# KiCad board nvme Carrier for LattePanda Mu.kicad_pcb (continued)
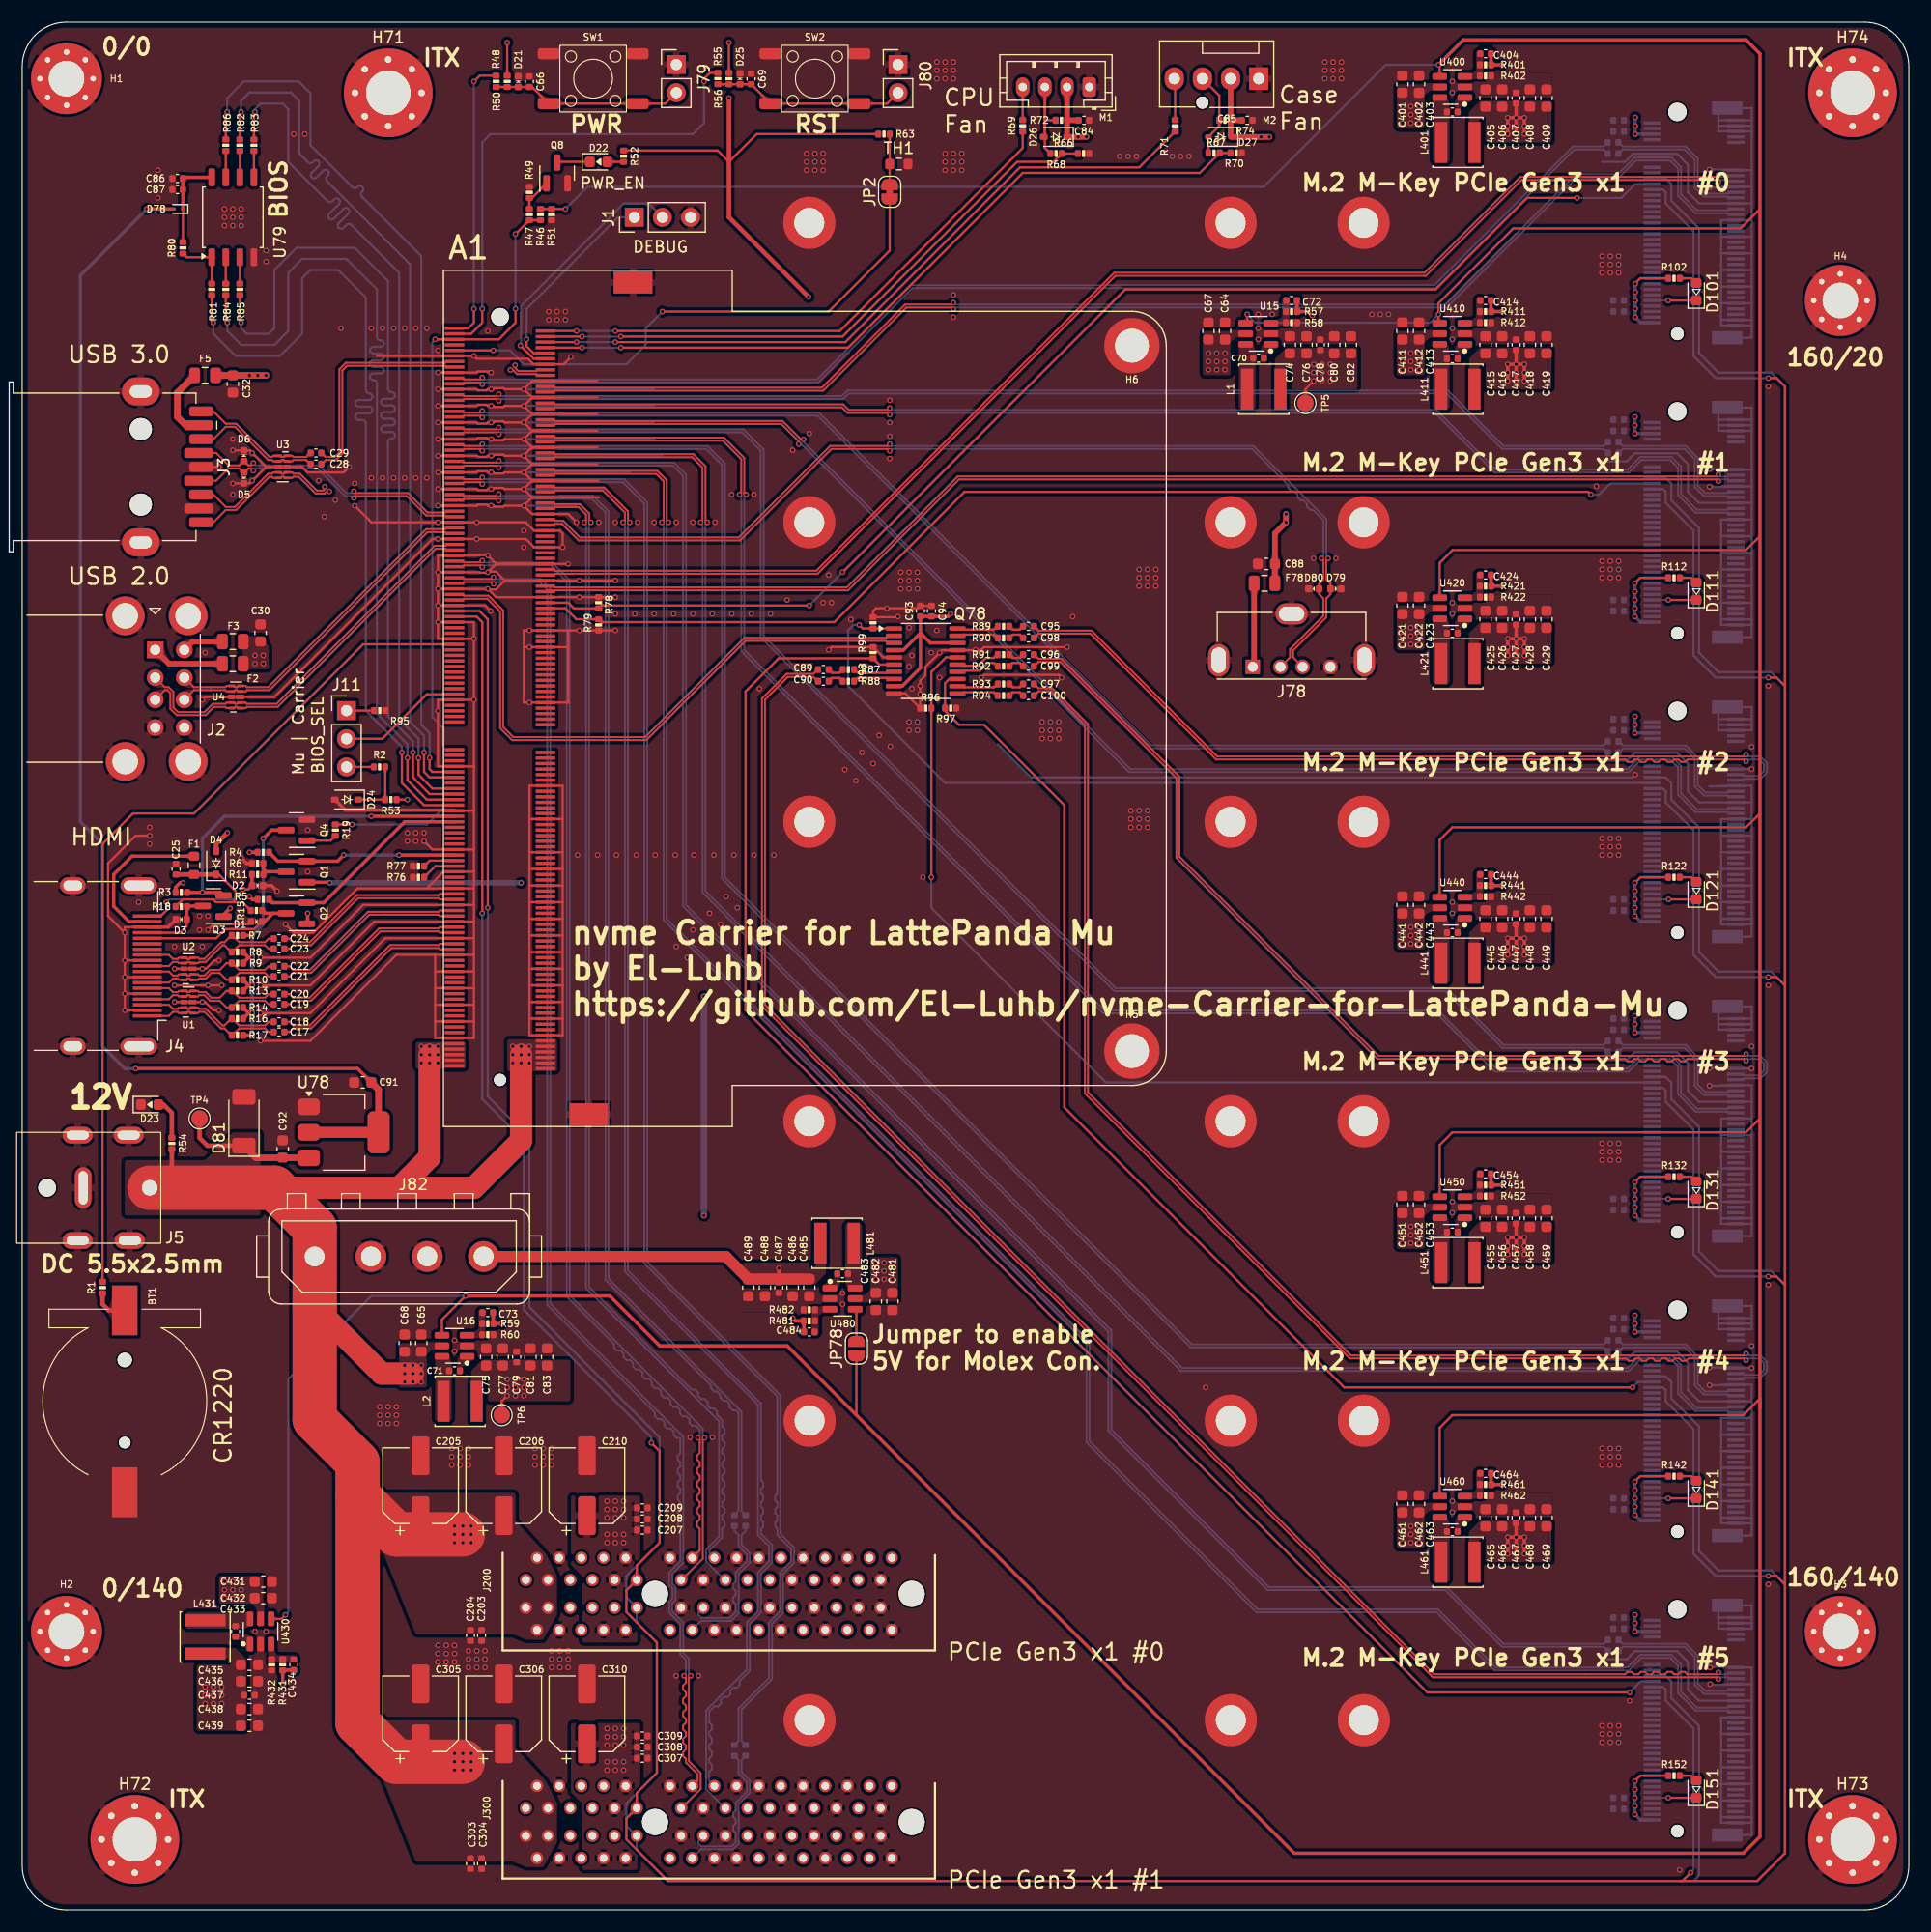
[diagram p0: board, top side]
## Routing (per net, layer and track width the routed paths; a pad name or vN(x,y) marks a point on that pad's centre or on a via; arc(x,y) is an arc through that point) (continued)
/M.2 M Key/CON_PCIE_TX_3-: length 14
  Bottom w0.171: 144,77.35 144.03,77.35 144.39,77.71 149.94,77.71 150.86,76.79 150.86,74.29 151.69,73.46 153.84,73.46 153.95,73.35 J130.47
/M.2 M Key/CON_PCIE_TX_4+: length 14
  Bottom w0.171: 144,51.35 144.03,51.35 144.39,50.99 150.06,50.99 151.14,49.91 151.14,47.41 151.81,46.74 153.84,46.74 153.95,46.85 J140.49
/M.2 M Key/CON_PCIE_TX_4-: length 14
  Bottom w0.171: 144,50.35 144.03,50.35 144.39,50.71 149.94,50.71 150.86,49.79 150.86,47.29 151.69,46.46 153.84,46.46 153.95,46.35 J140.47
/M.2 M Key/CON_PCIE_TX_5+: length 14
  Bottom w0.171: J150.49 153.95,19.85 153.84,19.74 151.81,19.74 151.14,20.41 151.14,22.91 150.06,23.99 144.39,23.99 144.03,24.35 C155.2
/M.2 M Key/CON_PCIE_TX_5-: length 14
  Bottom w0.171: C156.2 144.03,23.35 144.39,23.71 149.94,23.71 150.86,22.79 150.86,20.29 151.69,19.46 153.84,19.46 153.95,19.35 J150.47
/M.2 M Key/REFCLKM2+: length 75.3
  Top w0.171: C98.2 91.28,114.68 91.67,115.06 96.34,115.06 107.69,103.71 144.6,103.71 144.82,103.5 145.2,103.5 145.42,103.71 145.8,103.71 146.02,103.5 146.4,103.5 146.62,103.71 147,103.71 147.22,103.5 147.6,103.5 147.82,103.71 148.2,103.71 148.42,103.5 148.8,103.5 149.02,103.71 149.4,103.71 149.62,103.5 150,103.5 150.22,103.71 155.34,103.71 v1(155.5,103.55)
  Bottom w0.171: J120.55 155.2,102.35 155.31,102.24 156.69,102.24 157.11,102.66 157.11,103.29 156.69,103.71 155.66,103.71 v1(155.5,103.55)
/M.2 M Key/REFCLKM2-: length 75.3
  Top w0.171: C95.2 91.28,115.73 91.67,115.34 96.46,115.34 107.81,103.99 155.34,103.99 v1(155.5,104.15)
  Bottom w0.171: J120.53 155.2,101.85 155.31,101.96 156.81,101.96 157.39,102.54 157.39,103.41 156.81,103.99 155.66,103.99 v1(155.5,104.15)
/M.2 M Key/REFCLKM3+: length 90.5
  Top w0.171: C99.2 91.28,112.13 91.67,112.51 93.64,112.51 104.11,102.04 104.11,94.85 122.25,76.71 144.59,76.71 144.81,76.5 145.19,76.5 145.41,76.71 145.79,76.71 146.01,76.5 146.39,76.5 146.61,76.71 146.99,76.71 147.21,76.5 147.59,76.5 147.81,76.71 148.19,76.71 148.41,76.5 148.79,76.5 149.01,76.71 149.39,76.71 149.61,76.5 149.99,76.5 150.21,76.71 155.34,76.71 v1(155.5,76.55)
  Bottom w0.171: 153.84,75.24 153.95,75.35 J130.55 155.2,75.35 155.31,75.24 156.69,75.24 157.11,75.66 157.11,76.29 156.69,76.71 155.66,76.71 v1(155.5,76.55)
/M.2 M Key/REFCLKM3-: length 90.5
  Top w0.171: C96.2 91.28,113.18 91.67,112.79 93.76,112.79 104.39,102.16 104.39,94.96 122.36,76.99 155.34,76.99 v1(155.5,77.15)
  Bottom w0.171: 153.84,74.96 153.95,74.85 J130.53 155.2,74.85 155.31,74.96 156.81,74.96 157.39,75.54 157.39,76.41 156.81,76.99 155.66,76.99 v1(155.5,77.15)
/M.2 M Key/REFCLKM4+: length 115
  Top w0.171: v1(155.5,49.55) 155.34,49.71 150.3,49.71 150.08,49.5 149.7,49.5 149.48,49.71 149.1,49.71 148.88,49.5 148.5,49.5 148.28,49.71 147.9,49.71 147.68,49.5 147.3,49.5 147.08,49.71 146.7,49.71 146.48,49.5 146.1,49.5 145.88,49.71 145.5,49.71 145.28,49.5 144.9,49.5 144.68,49.71 119.75,49.71 95.86,73.6 95.86,106.79 92.79,109.86 91.67,109.86 91.28,109.48 C100.2
  Bottom w0.171: J140.55 155.2,48.35 155.31,48.24 156.69,48.24 157.11,48.66 157.11,49.29 156.69,49.71 155.66,49.71 v1(155.5,49.55)
/M.2 M Key/REFCLKM4-: length 115
  Top w0.171: C97.2 91.28,110.53 91.67,110.14 92.91,110.14 96.14,106.91 96.14,73.71 119.86,49.99 155.34,49.99 v1(155.5,50.15)
  Bottom w0.171: v1(155.5,50.15) 155.66,49.99 156.81,49.99 157.39,49.41 157.39,48.54 156.81,47.96 155.31,47.96 155.2,47.85 J140.53
/M.2 M Key/REFCLKM5+: length 147
  Top w0.171: v1(153,21.4) 152.84,21.24 150.2,21.24 149.98,21.45 149.6,21.45 149.38,21.24 149,21.24 148.78,21.45 148.4,21.45 148.18,21.24 147.8,21.24 147.58,21.45 147.2,21.45 146.98,21.24 146.6,21.24 146.38,21.45 146,21.45 145.78,21.24 145.4,21.24 145.18,21.45 144.8,21.45 144.58,21.24 127.36,21.24 67,81.6 67,109.1 69.06,111.16 71.37,111.16 71.76,110.78 C90.1
  Bottom w0.171: J150.55 153.95,21.35 153.84,21.24 153.16,21.24 v1(153,21.4)
/M.2 M Key/REFCLKM5-: length 147
  Top w0.171: v1(153,20.8) 152.84,20.96 127.25,20.96 66.73,81.49 66.73,109.21 68.95,111.44 71.37,111.44 71.76,111.83 C89.1
  Bottom w0.171: J150.53 153.95,20.85 153.84,20.96 153.16,20.96 v1(153,20.8)
/PCIe CLK Buffer/DIF0+: length 3.8
  Top w0.2: Q78.19 84.9,114.88 85,114.98 87.66,114.98 87.96,114.68 R90.2
/PCIe CLK Buffer/DIF0-: length 3.8
  Top w0.2: R89.1 87.96,115.73 87.66,115.43 85,115.43 84.9,115.53 Q78.20
/PCIe CLK Buffer/DIF1+: length 4.1
  Top w0.2: Q78.14 84.9,111.63 85,111.73 86.41,111.73 87.11,112.43 87.66,112.43 87.96,112.13 R92.2
/PCIe CLK Buffer/DIF1-: length 4.1
  Top w0.2: Q78.15 84.9,112.28 85,112.18 86.22,112.18 86.92,112.88 87.66,112.88 87.96,113.18 R91.1
/PCIe CLK Buffer/DIF2+: length 3.8
  Top w0.2: Q78.11 84.9,109.68 85,109.78 87.66,109.78 87.96,109.48 R94.2
/PCIe CLK Buffer/DIF2-: length 3.8
  Top w0.2: R93.1 87.96,110.53 87.66,110.23 85,110.23 84.9,110.33 Q78.12
/PCIe CLK Buffer/DIF3+: length 3.8
  Top w0.2: Q78.8 78.1,110.98 78,111.08 75.38,111.08 75.08,110.78 R88.1
/PCIe CLK Buffer/DIF3-: length 3.8
  Top w0.2: Q78.7 78.1,111.63 78,111.53 75.38,111.53 75.08,111.83 R87.2
/PCIe CLK Buffer/RDIF0+: length 1.5
  Top w0.2: R90.1 89.33,114.98 89.99,114.98 C98.1
/PCIe CLK Buffer/RDIF0-: length 1.5
  Top w0.2: R89.2 89.33,115.43 89.99,115.43 C95.1
/PCIe CLK Buffer/RDIF1+: length 1.5
  Top w0.2: C99.1 89.99,112.43 89.33,112.43 R92.1
/PCIe CLK Buffer/RDIF1-: length 1.5
  Top w0.2: C96.1 89.99,112.88 89.33,112.88 R91.2
/PCIe CLK Buffer/RDIF2+: length 1.5
  Top w0.2: C100.1 89.99,109.78 89.33,109.78 R94.1
/PCIe CLK Buffer/RDIF2-: length 1.5
  Top w0.2: C97.1 89.99,110.23 89.33,110.23 R93.2
/PCIe CLK Buffer/RDIF3+: length 1.5
  Top w0.2: R88.2 73.71,111.08 73.05,111.08 C90.2
/PCIe CLK Buffer/RDIF3-: length 1.5
  Top w0.2: C89.2 73.05,111.53 73.71,111.53 R87.1
/PCIe/PCIE30_TX0_N: length 13.6
  Bottom w0.171: C202.2 64.25,34.15 64.61,33.79 64.61,32.79 65.36,32.04 65.36,31.41 64.36,30.41 64.36,29.62 64.11,29.37 64.11,29.02 64.36,28.77 64.36,28.42 64.11,28.17 64.11,27.82 64.36,27.57 64.36,26.86 63.83,26.32 61.28,26.32 61,26.6 61,26.8 J200.B15
/PCIe/PCIE30_TX0_P: length 13.6
  Bottom w0.171: C201.2 65.25,34.15 64.89,33.79 64.89,32.91 65.64,32.16 65.64,31.29 64.64,30.29 64.64,26.74 63.94,26.05 61.25,26.05 J200.B14 60.48,25.24
/PCIe/PCIE30_TX1_N: length 13.5
  Bottom w0.171: C302.2 64.25,13.86 64.61,13.5 64.61,12.29 65.36,11.54 65.36,10.66 64.36,9.66 64.36,8.98 64.14,8.75 64.14,8.38 64.36,8.15 64.36,7.78 64.14,7.55 64.14,7.18 64.36,6.95 64.36,6.1 63.99,5.73 61.27,5.73 61,6 61,6.23 J300.B15
/PCIe/PCIE30_TX1_P: length 13.5
  Bottom w0.171: 60.44,4.66 61.23,5.46 64.11,5.46 64.64,5.99 64.64,9.54 65.64,10.54 65.64,11.66 64.89,12.41 64.89,13.5 65.25,13.86 C301.2
/PSU/PWR_EN: length 661.2
  Top w0.2: v1(49,153.35) 48.99,153.36 R46.2 ; v1(127.75,166.35) 127.86,166.24 127.86,165.3 ; 156.75,71.35 155.5,70.1 129,70.1 127.86,68.96 U450.4 ; 156.75,46.1 155.25,44.6 129,44.6 127.86,43.46 U460.4 ; U430.4 23.39,26.24 v1(23.75,26.6) ; U16.4 37.86,53.21 v1(40,55.35) ; 156.75,123.85 155.5,122.6 129.02,122.6 127.86,121.44 U420.4 ; 156.75,98.85 155.5,97.6 129,97.6 127.86,96.46 U440.4 ; 75.25,49.95 75.25,44.6 ; 156.75,153.35 155,151.6 134.5,151.6 127.75,144.85 v1(127.75,143.85) 127.75,143.16 U410.4 ; U15.4 110.5,143.19 v1(110.5,143.85)
  Top w0.3: 156.75,45.35 156.75,167.35 155.5,168.6 130,168.6 v1(127.75,166.35) ; 156.75,45.35 156.75,46.1 ; 156.75,45.35 156.75,6.6 155.25,5.1 114.75,5.1 69,50.85 57.5,50.85 53,55.35 v1(40,55.35)
  Bottom w0.2: v1(49,153.35) 51,155.35 112,155.35 123,166.35 v1(127.75,166.35) ; v1(110.5,143.85) 111.25,143.1 127,143.1 v1(127.75,143.85) ; v1(40,55.35) 31.5,55.35 24,47.85 24,26.85 v1(23.75,26.6)
/USB/CON_USB1_D_N: length 35.6
  Top w0.171: J2.2 12.86,110.24 13.21,110.24 13.64,109.81 13.64,108.41 14.06,107.99 16.44,107.99 17.19,108.74 18.33,108.74 18.44,108.85 U4.9 19.1,108.85 19.21,108.74 19.39,108.74 19.5,108.85 U4.2 20.16,108.85 20.27,108.74 22.94,108.74 37.19,122.99 38.16,122.99 38.27,123.1 A1.79
/USB/CON_USB1_D_P: length 35.6
  Top w0.171: A1.81 38.27,122.6 38.16,122.71 37.31,122.71 23.06,108.46 20.27,108.46 20.16,108.35 U4.1 19.5,108.35 19.39,108.46 19.21,108.46 19.1,108.35 U4.10 18.44,108.35 18.33,108.46 17.31,108.46 16.56,107.71 13.94,107.71 13.36,108.29 13.36,109.7 13.1,109.96 12.86,109.96 J2.3
/USB/CON_USB2_D_N: length 30.9
  Top w0.171: J2.6 15.48,110.24 18.33,110.24 18.44,110.35 U4.6 19.1,110.35 19.21,110.24 19.39,110.24 19.5,110.35 U4.5 20.16,110.35 20.27,110.24 22.19,110.24 36.44,124.49 38.16,124.49 38.27,124.6 A1.73
/USB/CON_USB2_D_P: length 30.9
  Top w0.171: A1.75 38.27,124.1 38.16,124.21 36.56,124.21 22.31,109.96 20.27,109.96 20.16,109.85 U4.4 19.5,109.85 19.39,109.96 19.21,109.96 19.1,109.85 U4.7 18.44,109.85 18.33,109.96 15.48,109.96 J2.7
/USB/CON_USB3_D_N: length 26
  Top w0.171: A1.67 38.27,126.1 38.16,125.99 36.56,125.99 34.81,127.74 30.08,127.74 v1(29.92,127.9) ; v1(20.85,130.45) 20.64,130.24 20.4,130.24 20.02,130.62 D6.2 19.98,130.62 19.6,130.24 18.61,130.24 17.5,131.35 J3.2
  Bottom w0.171: v1(29.92,127.9) 29.75,127.74 29.25,127.74 26.75,130.24 21.06,130.24 v1(20.85,130.45)
/USB/CON_USB3_D_P: length 26
  Top w0.171: J3.3 17.5,128.85 18.61,129.96 19.6,129.96 19.98,129.59 D5.2 20.02,129.59 20.4,129.96 20.64,129.96 v1(20.85,129.75) ; v1(29.92,127.3) 30.08,127.46 34.69,127.46 36.44,125.71 38.16,125.71 38.27,125.6 A1.69
  Bottom w0.171: v1(29.92,127.3) 29.75,127.46 29.14,127.46 26.64,129.96 21.06,129.96 v1(20.85,129.75)
/USB/CON_USB3_SSRX_N: length 44.8
  Top w0.171: v1(44.04,138.84) 44.27,138.84 44.64,138.46 46.36,138.46 46.48,138.35 A1.18 ; J3.5 17.25,125.1 18.36,126.21 19.31,126.21 22.31,129.21 22.53,129.21 22.64,129.1 U3.5 23.3,129.1 23.41,129.21 23.59,129.21 23.7,129.1 U3.6 24.36,129.1 24.47,129.21 24.94,129.21 26.47,127.69 27.28,127.69 27.48,127.89 v1(27.71,127.89)
  In2.PWR w0.171: v1(27.71,127.89) 27.71,128.12 27.89,128.29 27.89,138.29 28.81,139.21 43.89,139.21 44.04,139.07 v1(44.04,138.84)
/USB/CON_USB3_SSRX_P: length 44.8
  Top w0.171: J3.6 17.25,127.6 18.36,126.49 19.19,126.49 22.19,129.49 22.53,129.49 22.64,129.6 U3.4 23.3,129.6 23.41,129.49 23.59,129.49 23.7,129.6 U3.7 24.36,129.6 24.47,129.49 25.06,129.49 26.58,127.96 27.17,127.96 27.29,128.08 v1(27.29,128.31) ; A1.16 46.48,138.85 46.36,138.74 44.76,138.74 44.46,139.03 v1(44.46,139.26)
  In2.PWR w0.171: v1(27.29,128.31) 27.52,128.31 27.61,128.41 27.61,138.41 28.69,139.49 44.01,139.49 44.23,139.26 v1(44.46,139.26)
/USB/CON_USB3_SSTX_N: length 11.9
  Top w0.171: C28.2 25.99,130.35 25.63,130.71 24.47,130.71 24.36,130.6 U3.9 23.7,130.6 23.59,130.71 23.41,130.71 23.3,130.6 U3.2 22.64,130.6 22.53,130.71 22.19,130.71 19.19,133.71 18.36,133.71 17.25,132.6 J3.8
/USB/CON_USB3_SSTX_P: length 11.9
  Top w0.171: C29.2 25.99,131.35 25.63,130.99 24.47,130.99 24.36,131.1 U3.10 23.7,131.1 23.59,130.99 23.41,130.99 23.3,131.1 U3.1 22.64,131.1 22.53,130.99 22.31,130.99 19.31,133.99 18.36,133.99 17.25,135.1 J3.9
/~{PLT_RST}: length 514.7
  Top w0.2: v1(157.5,138.1) 158.25,138.1 159,137.35 159,5.1 156.5,2.6 149.5,2.6 ; v1(157.5,111.1) 158.25,111.1 159,110.35 ; 159,83.35 158.25,84.1 v1(157.5,84.1) ; v1(56.75,42.1) 57.5,41.35 57.5,33.1 55.44,31.04 J200.A11 54.5,28.8 54.5,26.85 57.25,24.1 57.25,12.35 55.44,10.54 J300.A11 54.5,8.23 54.5,6.35 58.25,2.6 149.5,2.6 ; v1(41.5,89.85) 41.5,116.1 41,116.6 A1.105 ; v1(157.5,30.1) 158.25,30.1 159,29.35 ; 159,56.35 158.25,57.1 v1(157.5,57.1) ; 149.5,2.6 149.75,2.6 v1(150.5,3.35)
  Bottom w0.2: v1(41.5,89.85) 41.5,73.1 45.25,69.35 45.25,54.1 56.75,42.6 v1(56.75,42.1) ; v1(157.5,57.1) 152.75,57.1 150.75,59.1 150.75,70.35 148.25,72.85 148.25,73.85 148,74.1 J130.50 ; v1(150.5,3.35) 150.75,3.6 150.75,16.35 148.25,18.85 148.25,19.85 148,20.1 J150.50 ; v1(157.5,30.1) 152.75,30.1 150.75,32.1 150.75,43.35 148.25,45.85 148.25,46.85 148,47.1 J140.50 ; 147.02,155.1 148,155.1 148.25,154.85 148.25,153.85 150.75,151.35 150.75,140.1 152.75,138.1 v1(157.5,138.1) ; v1(157.5,84.1) 152.75,84.1 150.75,86.1 150.75,97.35 148.25,99.85 148.25,100.85 148,101.1 J120.50 ; J110.50 148,128.1 148.25,127.85 148.25,126.85 150.75,124.35 150.75,113.1 152.75,111.1 v1(157.5,111.1)
/~{PWR_LED}/~{PSON}: length 71.8
  Top w0.2: v1(37.25,141.6) A1.5 43,141.6 44.5,143.1 v1(44.5,144.35) ; v1(29.75,97.85) 29.74,97.86 R19.1 ; R46.1 R47.1 44.51,151.1 v1(44.5,151.1)
  Bottom w0.2: v1(37.25,141.6) 37,141.35 37,107.54 38,106.54 38,99.35 36.5,97.85 v1(29.75,97.85) ; v1(44.5,144.35) v1(44.5,151.1)
/~{WAKE}: length 519.8
  Top w0.2: v1(42,90.35) 42,116.35 41.25,117.1 A1.103
  Bottom w0.2: J110.54 148.25,129.1 148.75,128.6 148.75,127.1 151.25,124.6 151.25,113.35 153,111.6 157.75,111.6 159,110.35 ; 159,83.35 157.75,84.6 153,84.6 151.25,86.35 151.25,97.6 148.75,100.1 148.75,101.6 148.25,102.1 J120.54 ; J130.54 148.25,75.1 148.75,74.6 148.75,73.1 151.25,70.6 151.25,59.35 153,57.6 157.75,57.6 159,56.35 ; 150.75,2.6 151.25,3.1 151.25,16.6 148.75,19.1 148.75,20.6 148.25,21.1 J150.54 ; 147.02,156.1 148.25,156.1 148.75,155.6 148.75,154.1 151.25,151.6 151.25,140.35 153,138.6 157.75,138.6 159,137.35 159,5.1 156.5,2.6 58.25,2.6 55.44,5.41 J300.B11 54.5,7.61 54.5,9.6 57.25,12.35 57.25,24.1 55.44,25.91 J200.B11 54.5,28.18 54.5,30.1 57.5,33.1 57.5,42.6 45.75,54.35 45.75,69.6 42,73.35 v1(42,90.35) ; J140.54 148.25,48.1 148.75,47.6 148.75,46.1 151.25,43.6 151.25,32.35 153,30.6 157.75,30.6 159,29.35
VPullup: length 5.4
  Top w0.2: R2.2 R53.2 D24.1
Net-(A1-SIO_UART_RX): length 23.4
  Top w0.2: v1(44.94,141.04) 46.12,139.85 A1.12
  Bottom w0.2: v1(44.94,141.04) 45,141.1 45,144.6 54.25,153.85 56.5,153.85 J1.2
Net-(A1-SIO_UART_TX): length 18.5
  Top w0.2: v1(45.5,141.6) 45.5,140.98 46.12,140.35 A1.10
  Bottom w0.2: J1.1 53.75,152.6 45.5,144.35 v1(45.5,141.6)
Net-(A1-TCP0_HPD): length 3.2
  Top w0.2: R76.1 37.26,94.1 A1.187
Net-(A1-TCP1_HPD): length 2.9
  Top w0.2: A1.185 36.76,94.6 R77.1
Net-(A1-~{BIOS_SEL}): length 11.4
  Top w0.2: A1.133 36.5,109.6 32.48,105.59 J11.2
Net-(BT1-+): length 3.2
  Top w0.4: 9.25,54.05 7.8,54.05 7.25,54.6 R1.2
Net-(D21-A2): length 17.3
  Top w0.2: R48.1 46,164.35 SW1.1 SW1.1 58.01,162.85 J79.2
Net-(D22-A): length 1.5
  Top w0.2: R52.1 D22.2
Net-(D22-K): length 3
  Top w0.2: Q8.3 48.31,157.6 D22.1
Net-(D23-A): length 3.8
  Top w0.4: D23.2 12.75,72.6 13.5,71.85 13.5,69.61
Net-(D25-A2): length 17.4
  Top w0.2: R55.1 C69.1 SW2.1 SW2.1 78.01,162.85 J80.2
Net-(D26-A): length 11.7
  Top w0.2: D26.2 92.25,159.95 92.25,161.35 ; R72.2 92.25,161.35 ; 92.25,161.35 M1.3 92.25,158.85 R68.1
Net-(D27-A): length 7.7
  Top w0.2: M2.3 107.98,163.58 R74.2 107.98,160.83 D27.2 R70.2
Net-(D78-K): length 8.4
  Top w0.2: D78.1 R80.1
  Top w0.3: D78.1 C86.1 14.6,156.2 U79.8
Net-(D101-A): length 1.7
  Top w0.2: 149.48,147.1 150.55,147.1 150.97,146.68
Net-(D101-K): length 4
  Top w0.2: 150.97,145.1 v1(148.47,145.1)
  Bottom w0.2: v1(148.47,145.1) 147,145.1
Net-(D111-A): length 1.7
  Top w0.2: 149.48,120.1 150.55,120.1 150.97,119.68
Net-(D111-K): length 4
  Top w0.2: 150.97,118.1 v1(148.47,118.1)
  Bottom w0.2: v1(148.47,118.1) 147,118.1
Net-(D121-A): length 1.7
  Top w0.2: R122.1 150.57,93.1 D121.2
Net-(D121-K): length 4
  Top w0.2: D121.1 v1(148.5,91.1)
  Bottom w0.2: v1(148.5,91.1) J120.10
Net-(D131-A): length 1.7
  Top w0.2: 149.48,66.1 150.55,66.1 150.97,65.68
Net-(D131-K): length 4
  Top w0.2: 150.97,64.1 v1(148.47,64.1)
  Bottom w0.2: v1(148.47,64.1) 147,64.1
Net-(D141-A): length 1.7
  Top w0.2: 150.97,38.68 150.55,39.1 149.48,39.1
Net-(D141-K): length 4
  Top w0.2: 150.97,37.1 v1(148.47,37.1)
  Bottom w0.2: v1(148.47,37.1) 147,37.1
Net-(D151-A): length 1.7
  Top w0.2: 150.97,11.68 150.55,12.1 149.48,12.1
Net-(D151-K): length 4
  Top w0.2: 150.97,10.1 v1(148.47,10.1)
  Bottom w0.2: v1(148.47,10.1) 147,10.1
Net-(J2-VBUS1): length 6.6
  Top w0.5: J2.1 13.25,112.35 F2.2
Net-(J2-VBUS2): length 3.8
  Top w0.5: F3.2 15.37,114.35 J2.5
Net-(J3-VBUS): length 6.6
  Top w0.6: F5.2 14,136.79 14,134.6 14.75,133.85 J3.1
Net-(J4-+5V): length 14.4
  Top w0.3: F1.2 9.9,95 8.25,93.35 8.25,90.49 9.63,89.1 J4.18
Net-(J11-Pin_1): length 2.5
  Top w0.2: R95.2 J11.1
Net-(J11-Pin_3): length 2.5
  Top w0.2: R2.1 J11.3
Net-(J78-VBUS): length 7.6
  Top w0.5: J78.1 111.12,112.2 F78.2
Net-(JP2-B): length 4.6
  Top w0.2: JP2.2 R63.2
Net-(JP78-B): length 2.9
  Top w0.2: U480.4 75.25,54.04 JP78.2
Net-(M1-PWM): length 3
  Top w0.2: R69.2 M1.4
Net-(M2-PWM): length 3.8
  Top w0.2: R71.2 104,165.02 M2.4
Net-(Q1-D): length 3
  Top w0.3: 22,93.6 R11.1 ; 22,93.6 Q1.3 ; 22,93.6 21.75,93.85 R6.1
Net-(Q4-D): length 27.7
  Top w0.3: Q4.3 22.5,97.35 v1(21.75,96.6) ; R17.2 20.74,78.86 v1(20.75,78.85) ; 20.42,85.85 R9.2 ; 20.42,85.85 v1(20.75,85.85) ; 20.42,85.85 19.93,86.34 R8.2 ; v1(20.75,83.35) 20.42,83.35 ; 20.42,83.35 19.93,83.84 R10.2 ; 20.42,83.35 R13.2 ; R16.2 20.42,80.85 v1(20.75,80.85) 20.44,80.85 R14.2 ; v1(20.75,87.85) 20.74,87.86 R7.2
  Bottom w0.3: v1(21.75,96.6) 21.75,88.85 v1(20.75,87.85) v1(20.75,85.85) v1(20.75,83.35) v1(20.75,80.85) v1(20.75,78.85)
Net-(Q4-G): length 2.7
  Top w0.2: R19.2 27.81,96.4 Q4.1
Net-(Q8-G): length 3.1
  Top w0.2: Q8.1 45.98,154.34 R49.2 R47.2
Net-(U79-CLK): length 2.4
  Top w0.2: R82.2 U79.6
Net-(U79-DI(IO0)): length 2.4
  Top w0.2: R83.2 U79.5
Net-(U79-DO(IO1)): length 2.4
  Top w0.2: R84.2 18.37,149
Net-(U79-IO2): length 2.4
  Top w0.2: R85.2 U79.3
Net-(U79-IO3): length 2.4
  Top w0.2: R86.2 18.37,156.2
Net-(U79-~{CS}): length 5.1
  Top w0.2: 17.09,146.6 R81.2 U79.1 14.83,149 R80.2

## Copper pours and planes (outline as drawn; the poured copper is in the pictures)
+3V3 on Top: 40.5,44.35 41.4,44.35 41.4,47.85 42,48.18 42,45.85 49.45,45.85 49.45,49.6 41.5,49.6 40.5,48.6
+3V3 on Top, In2.PWR: 49.5,37.35 55.75,37.35 55.75,31.1 54.5,29.61 54.5,27.45 55.5,25.95 55.5,24.1 50.5,24.1 50.5,30.1 49.5,31.1
+3V3a on Top: 130.5,157.85 131.4,157.85 131.4,161.35 132,161.68 132,159.35 137.95,159.35 137.95,163.1 131.5,163.1 130.5,162.1
+3V3a on Bottom: 147.7,145.45 146,145.45 146,143.75 147.7,143.75 147.7,142.95 144.5,142.95 144.5,147.25 147.7,147.25
+3V3a on Bottom: 147.7,159.95 144.5,159.95 144.5,161.75 147.7,161.75
+3V3a on In2.PWR: 147.7,145.45 146,145.45 146,143.75 147.7,143.75 147.7,142.95 144.5,142.95 144.5,161.74 147.7,161.74
+3V3b on Top: 130.5,135.6 131.4,135.6 131.4,139.1 132,139.43 132,137.1 137.95,137.1 137.95,140.85 131.5,140.85 130.5,139.85
+3V3b on Bottom: 147.67,118.45 145.97,118.45 145.97,116.75 147.67,116.75 147.67,115.95 144.47,115.95 144.47,120.25 147.67,120.25
+3V3b on Bottom: 147.67,132.95 144.47,132.95 144.47,134.75 147.67,134.75
+3V3b on In2.PWR: 147.67,118.45 145.97,118.45 145.97,116.75 147.67,116.75 147.67,115.95 144.47,115.95 144.47,134.74 147.67,134.74
+3V3c on Top: 130.5,110.85 131.4,110.85 131.4,114.35 132,114.68 132,112.35 137.95,112.35 137.95,116.1 131.5,116.1 130.5,115.1
+3V3c on Bottom: 147.67,91.45 145.97,91.45 145.97,89.75 147.67,89.75 147.67,88.95 144.47,88.95 144.47,93.25 147.67,93.25
+3V3c on Bottom: 147.67,105.95 144.47,105.95 144.47,107.75 147.67,107.75
+3V3c on In2.PWR: 147.67,91.45 145.97,91.45 145.97,89.75 147.67,89.75 147.67,88.95 144.47,88.95 144.47,107.74 147.67,107.74
+3V3d on Top: 130.5,83.85 131.4,83.85 131.4,87.35 132,87.68 132,85.35 137.95,85.35 137.95,89.1 131.5,89.1 130.5,88.1
+3V3d on Bottom: 147.67,64.45 145.97,64.45 145.97,62.75 147.67,62.75 147.67,61.95 144.47,61.95 144.47,66.25 147.67,66.25
+3V3d on Bottom: 147.67,78.95 144.47,78.95 144.47,80.75 147.67,80.75
+3V3d on In2.PWR: 147.67,64.45 145.97,64.45 145.97,62.75 147.67,62.75 147.67,61.95 144.47,61.95 144.47,80.74 147.67,80.74
+3V3e on Top: 130.5,56.85 131.4,56.85 131.4,60.35 132,60.68 132,58.35 137.95,58.35 137.95,62.1 131.5,62.1 130.5,61.1
+3V3e on Bottom: 147.67,51.95 144.47,51.95 144.47,53.75 147.67,53.75
+3V3e on Bottom: 147.67,37.45 145.97,37.45 145.97,35.75 147.67,35.75 147.67,34.95 144.47,34.95 144.47,39.25 147.67,39.25
+3V3e on In2.PWR: 147.67,37.45 145.97,37.45 145.97,35.75 147.67,35.75 147.67,34.95 144.47,34.95 144.47,53.74 147.67,53.74
+3V3f on Top: 130.5,29.85 131.4,29.85 131.4,33.35 132,33.68 132,31.35 137.95,31.35 137.95,35.1 131.5,35.1 130.5,34.1
+3V3f on Bottom: 147.67,24.95 144.47,24.95 144.47,26.75 147.67,26.75
+3V3f on Bottom: 147.67,10.45 145.97,10.45 145.97,8.75 147.67,8.75 147.67,7.95 144.47,7.95 144.47,12.25 147.67,12.25
+3V3f on In2.PWR: 147.67,10.45 145.97,10.45 145.97,8.75 147.67,8.75 147.67,7.95 144.47,7.95 144.47,26.74 147.67,26.74
+3V3g on Top: 15,23.6 15,22.7 18.5,22.7 18.82,22.1 15.75,22.1 15.75,16.15 20.25,16.15 20.25,22.6 19.25,23.6
+3V3g on Top, In2.PWR: 49.5,16.85 55.75,16.85 55.75,10.35 54.5,9.1 54.5,6.85 55.5,5.6 55.5,3.6 50.5,3.6 50.5,9.6 49.5,10.6
+5V on Top: 113,135.6 113.9,135.6 113.9,139.1 114.5,139.43 114.5,137.1 120.45,137.1 120.45,140.85 114,140.85 113,139.85
+5V on Top: 19.88,114.85 19.88,111.85 22.25,111.85 22.25,113.85 21.75,114.85
+5V on In2.PWR: 116,137.35 116,139.83 118.5,139.83 118.5,137.35
+5V on In2.PWR: 20.5,113.6 20.5,111.85 22.25,111.85 22.25,113.6
+5Va on Top: 72.5,61.6 71.6,61.6 71.6,58.1 71,57.78 71,58.35 65.05,58.35 65.05,56.35 71.5,56.35 72.5,57.35
+12V on Top: 19,70.1 16.5,67.6 9.25,67.6 9.25,62.6 21.5,62.6 21.5,70.1
+12V on Top: 35.5,78.25 35.5,75.85 40,75.85 40,78.25
+12V on Top: 43.75,78.5 43.75,75.6 48.25,75.6 48.25,78.5
+12V on Top: 126.5,62.6 127,63 128.5,63 128.5,63.7 126.75,63.7 126.25,63.6 124,63.6 124,59.6 126.5,59.6
+12V on Top: 126.5,141.35 127,141.75 128.5,141.75 128.5,142.45 126.75,142.45 126.25,142.35 124,142.35 124,138.35 126.5,138.35
+12V on Top: 109,141.35 109.5,141.75 111,141.75 111,142.45 109.25,142.45 108.75,142.35 106.5,142.35 106.5,138.35 109,138.35
+12V on Top: 36.5,50.1 37,50.5 38.5,50.5 38.5,51.2 36.75,51.2 36.25,51.1 34,51.1 34,47.1 36.5,47.1
+12V on Top: 126.5,35.6 127,36 128.5,36 128.5,36.7 126.75,36.7 126.25,36.6 124,36.6 124,32.6 126.5,32.6
+12V on Top: 126.5,163.6 127,164 128.5,164 128.5,164.7 126.75,164.7 126.25,164.6 124,164.6 124,160.6 126.5,160.6
+12V on Top: 126.5,89.6 127,90 128.5,90 128.5,90.7 126.75,90.7 126.25,90.6 124,90.6 124,86.6 126.5,86.6
+12V on Top: 76.5,55.85 76,55.45 74.5,55.45 74.5,54.75 76.25,54.75 76.75,54.85 79,54.85 79,58.85 76.5,58.85
+12V on Top: 126.5,116.6 127,117 128.5,117 128.5,117.7 126.75,117.7 126.25,117.6 124,117.6 124,113.6 126.5,113.6
+12V on Top: 20.75,27.6 21.15,27.1 21.15,25.6 21.85,25.6 21.85,27.35 21.75,27.85 21.75,30.1 17.75,30.1 17.75,27.6
+12V on Top, Bottom: 44.5,37.6 44.5,35.1 47.25,32.1 48.25,30.1 48.25,26.6 47,24.35 45.5,24.35 44.25,24.85 35.5,24.85 32.5,32.35 32.5,37.6
+12V on Top, Bottom: 44.5,17.1 44.5,14.6 47.25,11.6 48.25,9.6 48.25,6.1 47,3.85 45.5,3.85 44.25,4.35 35.5,4.35 32.5,11.85 32.5,17.1
+12V on Bottom: 9.25,62.6 9.25,67.6 13.75,67.6 13.75,62.6
+12V on In2.PWR: -0.25,-0.15 170.25,-0.15 170.25,170.35 -0.25,170.35
GND on Top: 129.5,63.7 130.8,63.7 131,63.85 132,63.85 132.25,64 132.25,64.6 138,64.6 138,62.6 131.5,62.6 131,63 129.5,63
GND on Top: 129.5,117.7 130.8,117.7 131,117.85 132,117.85 132.25,118 132.25,118.6 138,118.6 138,116.6 131.5,116.6 131,117 129.5,117
GND on Top: 21.85,24.6 21.85,23.3 22,23.1 22,22.1 22.15,21.85 22.75,21.85 22.75,16.1 20.75,16.1 20.75,22.6 21.15,23.1 21.15,24.6
GND on Top: 73.5,54.75 72.2,54.75 72,54.6 71,54.6 70.75,54.45 70.75,53.85 65,53.85 65,55.85 71.5,55.85 72,55.45 73.5,55.45
GND on Top: 112,142.45 113.3,142.45 113.5,142.6 114.5,142.6 114.75,142.75 114.75,143.35 120.5,143.35 120.5,141.35 114,141.35 113.5,141.75 112,141.75
GND on Top: 129.5,164.7 130.8,164.7 131,164.85 132,164.85 132.25,165 132.25,165.6 138,165.6 138,163.6 131.5,163.6 131,164 129.5,164
GND on Top: 129.5,142.45 130.8,142.45 131,142.6 132,142.6 132.25,142.75 132.25,143.35 138,143.35 138,141.35 131.5,141.35 131,141.75 129.5,141.75
GND on Top: 129.5,36.7 130.8,36.7 131,36.85 132,36.85 132.25,37 132.25,37.6 138,37.6 138,35.6 131.5,35.6 131,36 129.5,36
GND on Top: 39.5,51.2 40.8,51.2 41,51.35 42,51.35 42.25,51.5 42.25,52.1 48,52.1 48,50.1 41.5,50.1 41,50.5 39.5,50.5
GND on Top: 129.5,90.7 130.8,90.7 131,90.85 132,90.85 132.25,91 132.25,91.6 138,91.6 138,89.6 131.5,89.6 131,90 129.5,90
GND on Top, Bottom, In1.GND: -0.25,-0.15 170.25,-0.15 170.25,170.35 -0.25,170.35
Net-(U15-BOOST) on Top: 112,141.35 113.25,141.35 113.25,140.85 112.25,140.25 112.25,139.6 111.75,139.6 111.75,140.85
Net-(U15-FB) on Top: 112,142.75 112,143.35 113.25,143.35 113.65,143.6 113.65,145.35 114.3,145.35 114.3,142.75
Net-(U15-SW) on Top: 109.75,135.35 111.25,135.35 111.25,140.6 111,141.35 109.75,141.35
Net-(U16-BOOST) on Top: 39.5,50.1 40.75,50.1 40.75,49.6 39.75,49 39.75,48.35 39.25,48.35 39.25,49.6
Net-(U16-FB) on Top: 39.5,51.5 39.5,52.1 40.75,52.1 41.15,52.35 41.15,54.1 41.8,54.1 41.8,51.5
Net-(U16-SW) on Top: 37.25,44.1 38.75,44.1 38.75,49.35 38.5,50.1 37.25,50.1
Net-(U400-BOOST) on Top: 129.5,163.6 130.75,163.6 130.75,163.1 129.75,162.5 129.75,161.85 129.25,161.85 129.25,163.1
Net-(U400-FB) on Top: 129.5,165 129.5,165.6 130.75,165.6 131.15,165.85 131.15,167.6 131.8,167.6 131.8,165
Net-(U400-SW) on Top: 127.25,157.6 128.75,157.6 128.75,162.85 128.5,163.6 127.25,163.6
Net-(U410-BOOST) on Top: 129.5,141.35 130.75,141.35 130.75,140.85 129.75,140.25 129.75,139.6 129.25,139.6 129.25,140.85
